# Altium PCB PCB.PcbDoc (part 5 of 10)
Units mil, origin at the board's own origin, x right, y up, seen from the top; angles counter-clockwise.
Board outline 4370.08 x 4921.26 mil, 6 copper layers (Component Side, Ground Plane I, Signal Layer 1, Power Plane, Ground Plane II, Solder Side), stack 57.638 mil thick; 274 components, 415 nets, 1726 pads, 902 vias.
Unrouted connection lines stored in the file: 2.
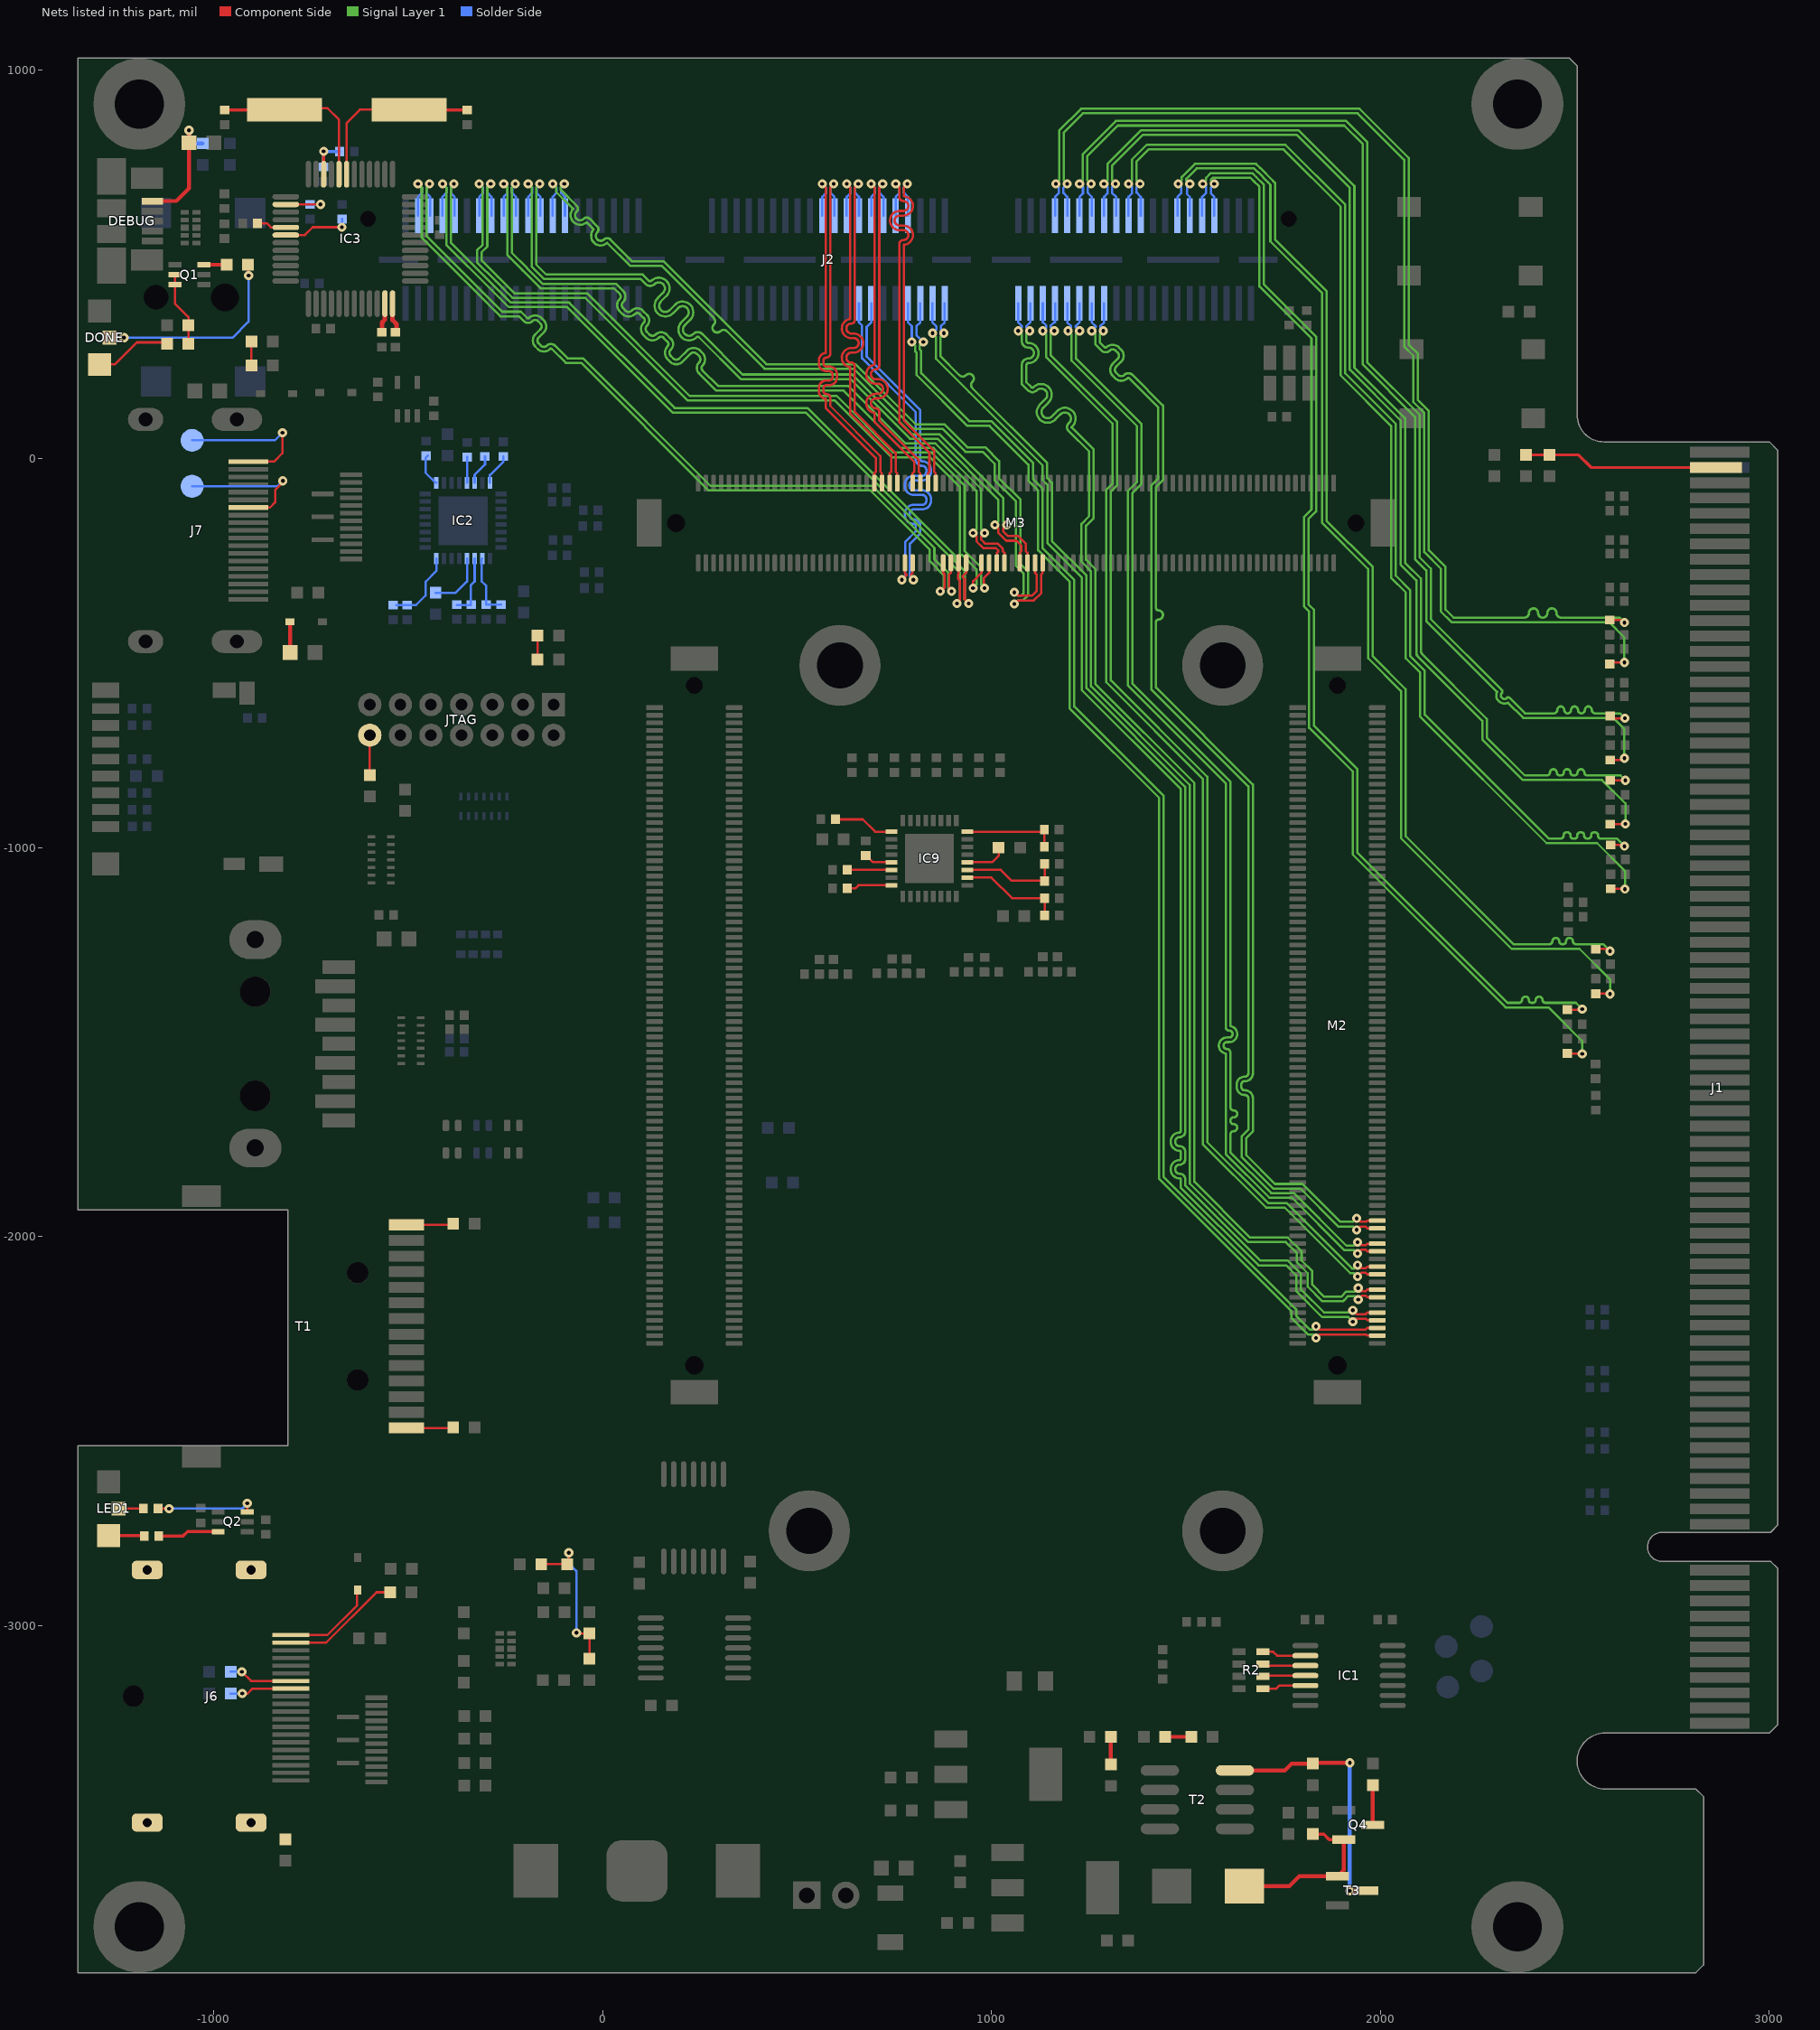
[diagram p9: the nets of this part, all layers, seen from the top]

## Via types
v1: diameter 23.62, hole 9.84, Component Side to Solder Side, 902 vias

## Nets (pads, with @x,y where several pads share a name; then routed paths per layer and width w, separated by ;. In a path a pad name is that pad's centre, name@x,y a point inside that pad or via, vN(x,y) a via of type N, cw(c..) or ccw(c..) an arc to the next point about the centre after c; other vN are vias at no path point) (continued)
LVDS_S1_D13_N: J2.58 M3.117 | length 985.1
  Component Side w5.91: v1(627.95,706.69) 636.81,697.83 636.81,359.07 ccw(c639.76,334.65) 639.76,310.04 645.67,310.04 cw(c645.67,297.24) 658.46,297.24 cw(c645.67,297.24) 645.67,284.45 639.76,284.45 ccw(c639.76,259.84) 636.81,235.41 636.81,115.16 742.13,9.84 742.13,-33.48 738.19,-37.41 M3.117@738.19,-62.99
  Solder Side w5.91: J2.58@627.89,624.61 627.89,673.21 636.81,682.13 636.81,697.83 v1(627.95,706.69)
LVDS_S1_D13_P: J2.56 M3.115 | length 988.1
  Component Side w5.91: v1(657.48,706.69) 648.62,697.83 648.62,356.3 cw(c639.76,356.3) 639.76,347.44 ccw(c639.76,334.65) 639.76,321.85 645.67,321.85 cw(c645.67,297.24) 670.28,297.24 cw(c645.67,297.24) 645.67,272.64 639.76,272.64 ccw(c639.76,259.84) 639.76,247.05 cw(c639.76,238.19) 648.62,238.19 648.62,120.05 753.94,14.73 753.94,-33.48 757.87,-37.41 M3.115@757.87,-62.99
  Solder Side w5.91: v1(657.48,706.69) 648.62,697.83 648.62,683.98 659.39,673.21 J2.56@659.39,624.61
LVDS_S1_D14_N: J2.50 M3.107 | length 986
  Component Side w5.91: v1(753.94,706.69) 762.8,697.83 762.8,673.23 ccw(c773.62,673.23) 773.62,662.4 cw(c773.62,649.61) 786.42,649.61 cw(c773.62,649.61) 773.62,636.81 763.78,636.81 ccw(c763.78,612.2) 763.78,587.6 773.62,587.6 cw(c773.62,574.8) 786.42,574.8 cw(c773.62,574.8) 773.62,562.01 ccw(c773.62,551.18) 762.8,551.18 762.8,93.44 840.55,15.69 840.55,-33.48 836.61,-37.41 M3.107@836.61,-62.99
  Solder Side w5.91: J2.50@753.88,624.61 753.88,673.21 762.8,682.13 762.8,697.83 v1(753.94,706.69)
LVDS_S1_D14_P: J2.48 M3.105 | length 986
  Component Side w5.91: v1(783.46,706.69) 774.61,697.83 774.61,674.19 cw(c773.62,649.61) 798.23,649.61 cw(c773.62,649.61) 773.62,625 763.78,625 ccw(c763.78,612.2) 763.78,599.41 773.62,599.41 cw(c773.62,574.8) 798.23,574.8 cw(c773.62,574.8) 774.61,550.22 774.61,98.34 852.36,20.58 852.36,-33.48 856.3,-37.41 M3.105@856.3,-62.99
  Solder Side w5.91: v1(783.46,706.69) 774.61,697.83 774.61,683.98 785.37,673.21 J2.48@785.37,624.61
LVDS_S1_D15_N: J2.62 M3.121 | length 982.8
  Component Side w5.91: v1(564.96,706.69) 573.82,697.83 573.82,271.99 ccw(c576.18,252.05) 556.1,252.05 556.1,244.97 ccw(c576.18,244.97) 576.18,224.89 583.27,224.89 cw(c583.27,216.62) 591.54,216.62 591.54,209.53 cw(c583.27,209.53) 583.27,201.27 576.18,201.27 ccw(c576.18,181.19) 556.1,181.19 556.1,174.1 ccw(c576.18,174.1) 573.82,154.16 573.82,130.91 702.76,1.97 702.76,-33.48 698.82,-37.41 M3.121@698.82,-62.99
  Solder Side w5.91: J2.62@564.9,624.61 564.9,673.21 573.82,682.13 573.82,697.83 v1(564.96,706.69)
LVDS_S1_D15_P: J2.60 M3.119 | length 985.4
  Component Side w5.91: v1(594.49,706.69) 585.63,697.83 585.63,269.77 cw(c576.18,269.77) 576.18,260.32 ccw(c576.18,252.05) 567.91,252.05 567.91,244.97 ccw(c576.18,244.97) 576.18,236.7 583.27,236.7 cw(c583.27,216.62) 603.35,216.62 603.35,209.53 cw(c583.27,209.53) 583.27,189.45 576.18,189.45 ccw(c576.18,181.19) 567.91,181.19 567.91,174.1 ccw(c576.18,174.1) 576.18,165.83 cw(c576.18,156.38) 585.63,156.38 585.63,135.8 714.57,6.86 714.57,-33.48 718.5,-37.41 M3.119@718.5,-62.99
  Solder Side w5.91: v1(594.49,706.69) 585.63,697.83 585.63,683.98 596.4,673.21 J2.60@596.4,624.61
LVDS_S1_D16_N: J2.55 M3.114 | length 988.4
  Component Side w5.91: v1(769.69,-311.02) 781.5,-299.21 781.5,-297.26 777.56,-293.32 M3.114@777.56,-267.72
  Solder Side w5.91: J2.55@659.39,399.02 659.39,350.38 667.32,342.45 667.32,257.82 805.12,120.02 805.12,-1.56 ccw(c821.75,-1.56) 821.75,-18.19 cw(c821.75,-29.12) 832.68,-29.12 832.68,-32.86 cw(c821.75,-32.86) 821.75,-43.78 800.3,-43.78 ccw(c800.3,-66.52) 777.56,-66.52 777.56,-70.26 ccw(c800.3,-70.26) 800.3,-93 821.75,-93 cw(c821.75,-103.92) 832.68,-103.92 832.68,-107.66 cw(c821.75,-107.66) 821.75,-118.59 800.3,-118.59 ccw(c800.3,-141.32) 777.56,-141.32 777.56,-145.06 ccw(c800.3,-145.06) 800.3,-167.8 cw(c800.3,-172.62) 805.12,-172.62 805.12,-187.01 778.54,-213.58 778.54,-302.17 v1(769.69,-311.02)
LVDS_S1_D16_P: J2.53 M3.112 | length 987.5
  Component Side w5.91: M3.112@797.24,-267.72 797.24,-293.32 793.31,-297.26 793.31,-305.12 v1(799.21,-311.02)
  Solder Side w5.91: J2.53@690.89,399.02 690.89,350.38 679.13,338.63 679.13,262.71 816.93,124.91 816.93,-1.56 ccw(c821.75,-1.56) 821.75,-6.38 cw(c821.75,-29.12) 844.49,-29.12 844.49,-32.86 cw(c821.75,-32.86) 821.75,-55.6 800.3,-55.6 ccw(c800.3,-66.52) 789.37,-66.52 789.37,-70.26 ccw(c800.3,-70.26) 800.3,-81.19 821.75,-81.19 cw(c821.75,-103.92) 844.49,-103.92 844.49,-107.66 cw(c821.75,-107.66) 821.75,-130.4 800.3,-130.4 ccw(c800.3,-141.32) 789.37,-141.32 789.37,-145.06 ccw(c800.3,-145.06) 800.3,-155.99 cw(c800.3,-172.62) 816.93,-172.62 816.93,-191.9 790.35,-218.47 790.35,-302.17 v1(799.21,-311.02)
LVDS_S1_OUTCLK_N: J2.54 M3.111 | length 983.5
  Component Side w5.91: v1(690.94,706.69) 699.8,697.83 699.8,241.44 ccw(c702.76,217.01) 702.76,192.41 708.66,192.41 cw(c708.66,179.61) 721.46,179.61 cw(c708.66,179.61) 708.66,166.82 702.76,166.82 ccw(c702.76,142.21) 699.8,117.78 699.8,93.5 801.18,-7.87 801.18,-33.48 797.24,-37.41 M3.111@797.24,-62.99
  Solder Side w5.91: J2.54@690.89,624.61 690.89,673.21 699.8,682.13 699.8,697.83 v1(690.94,706.69)
LVDS_S1_OUTCLK_P: J2.52 M3.109 | length 986.4
  Component Side w5.91: v1(720.47,706.69) 711.61,697.83 711.61,238.67 cw(c702.76,238.67) 702.76,229.81 ccw(c702.76,217.01) 702.76,204.22 708.66,204.22 cw(c708.66,179.61) 733.27,179.61 cw(c708.66,179.61) 708.66,155.01 702.76,155.01 ccw(c702.76,142.21) 702.76,129.41 cw(c702.76,120.56) 711.61,120.56 711.61,98.4 812.99,-2.98 812.99,-33.48 816.93,-37.41 M3.109@816.93,-62.99
  Solder Side w5.91: v1(720.47,706.69) 711.61,697.83 711.61,683.98 722.38,673.21 J2.52@722.38,624.61
LVDS_S2_CTRL_N: J2.39 M2.156 | length 3287
  Component Side w5.91: v1(1942.91,-2161.42) 1952.76,-2151.57 1962.57,-2151.57 1966.51,-2155.51 M2.156@1992.13,-2155.51
  Signal Layer 1 w5.91: v1(1068.9,328.74) 1077.76,319.88 1077.76,303.15 ccw(c1095.47,303.15) 1095.47,285.43 cw(c1095.47,271.65) 1109.25,271.65 cw(c1095.47,271.65) 1095.47,257.87 ccw(c1095.47,240.16) 1077.76,240.16 1077.76,191.93 1094.1,175.58 ccw(c1105.24,186.72) 1116.37,175.58 cw(c1127.51,164.45) 1138.64,175.58 ; 1138.66,175.56 cw(c1127.51,164.45) 1143.26,164.45 cw(c1127.51,164.45) 1138.64,153.31 1124.72,139.39 ccw(c1144.21,119.91) 1124.72,100.42 ccw(c1144.21,119.91) 1163.7,100.42 1177.62,114.34 cw(c1188.75,103.2) 1199.89,114.34 ; 1199.91,114.32 cw(c1188.75,103.2) 1204.5,103.2 cw(c1188.75,103.2) 1199.89,92.07 1197.83,90.01 ccw(c1206.92,80.93) 1197.83,71.85 1250.98,18.7 1250.98,-147.67 1231.3,-167.35 1231.3,-264.76 1255.91,-289.37 1255.91,-584.62 1509.84,-838.55 1509.84,-1863.28 1660.35,-2013.78 1756.92,-2013.78 1785.43,-2042.29 1785.43,-2065.92 1812.99,-2093.47 1812.99,-2127.95 1850.9,-2165.86 1904.02,-2165.86 1907.48,-2162.4 1917.32,-2152.56 1934.06,-2152.56 v1(1942.91,-2161.42)
  Solder Side w5.91: v1(1068.9,328.74) 1077.76,337.6 1077.76,341.58 1068.96,350.38 J2.39@1068.96,399.02
LVDS_S2_CTRL_P: J2.37 M2.154 | length 3268.1
  Component Side w5.91: v1(1942.91,-2131.89) 1950.79,-2139.76 1962.57,-2139.76 1966.51,-2135.83 M2.154@1992.13,-2135.83
  Signal Layer 1 w5.91: v1(1098.43,328.74) 1089.57,319.88 1089.57,303.15 ccw(c1095.47,303.15) 1095.47,297.24 cw(c1095.47,271.65) 1121.06,271.65 cw(c1095.47,271.65) 1095.47,246.06 ccw(c1095.47,240.16) 1089.57,240.16 1089.57,196.82 1102.45,183.94 ccw(c1105.24,186.72) 1108.02,183.94 cw(c1127.51,164.45) 1146.99,183.94 cw(c1127.51,164.45) 1155.07,164.45 cw(c1127.51,164.45) 1146.99,144.96 1133.08,131.04 ccw(c1144.21,119.91) 1133.05,108.79 ; 1133.1,108.75 ccw(c1144.21,119.91) 1155.35,108.77 1169.27,122.69 cw(c1188.75,103.2) 1208.24,122.69 cw(c1188.75,103.2) 1216.31,103.2 cw(c1188.75,103.2) 1208.24,83.72 1206.19,81.66 ccw(c1206.92,80.93) 1206.19,80.2 1262.8,23.59 1262.8,-152.56 1243.11,-172.24 1243.11,-259.87 1267.72,-284.48 1267.72,-579.72 1521.65,-833.66 1521.65,-1858.38 1665.24,-2001.97 1761.81,-2001.97 1797.24,-2037.4 1797.24,-2061.02 1824.8,-2088.58 1824.8,-2123.06 1855.79,-2154.05 1899.13,-2154.05 1912.43,-2140.75 1934.06,-2140.75 v1(1942.91,-2131.89)
  Solder Side w5.91: v1(1098.43,328.74) 1089.57,337.6 1089.57,340.55 1099.4,350.38 1100.45,350.38 J2.37@1100.45,399.02
LVDS_S2_D1_N: J2.108 M3.94 | length 2140.5
  Component Side w5.91: v1(952.76,-332.68) 952.76,-314.97 974.41,-293.32 M3.94@974.41,-267.72
  Signal Layer 1 w5.91: v1(-316.93,706.69) -308.07,697.83 -308.07,550.2 -322.83,535.43 -322.83,504.89 -274.64,456.69 -274.58,456.69 -231.27,413.39 -44.26,413.39 219.52,149.61 597.47,149.61 743.14,3.94 841.51,3.94 919.29,-73.85 919.29,-247.02 924.18,-247.02 961.61,-284.45 961.61,-323.82 v1(952.76,-332.68)
  Solder Side w5.91: J2.108@-316.99,624.61 -316.99,673.21 -307.15,683.06 -307.15,696.91 v1(-316.93,706.69)
LVDS_S2_D1_P: J2.106 M3.92 | length 2134.4
  Component Side w5.91: v1(982.28,-332.68) 980.31,-330.71 980.31,-307.1 994.09,-293.32 M3.92@994.09,-267.72
  Signal Layer 1 w5.91: v1(-287.4,706.69) -296.26,697.83 -296.26,545.3 -311.02,530.54 -311.02,509.84 -269.68,468.5 -226.38,425.2 -39.37,425.2 224.41,161.42 602.36,161.42 748.03,15.75 846.4,15.75 931.1,-68.96 931.1,-237.23 973.43,-279.56 973.43,-323.82 v1(982.28,-332.68)
  Solder Side w5.91: v1(-287.4,706.69) -295.34,698.76 -295.34,683.06 -285.49,673.21 J2.106@-285.49,624.61
LVDS_S2_D2_N: J2.35 M2.150 | length 2949.7
  Component Side w5.91: v1@1940.94,-2104.33 v1(1940.94,-2102.36) 1950.79,-2092.52 1962.57,-2092.52 1966.51,-2096.46 M2.150@1992.13,-2096.46
  Signal Layer 1 w5.91: v1(1131.89,328.74) 1140.75,319.88 1140.75,260.83 1311.02,90.55 1311.02,-64.01 1295.28,-79.75 1295.28,-574.8 1543.31,-822.83 1543.31,-1761.81 1706.69,-1925.2 1753.94,-1925.2 1922.24,-2093.5 1932.09,-2093.5 v1(1940.94,-2102.36)
  Solder Side w5.91: v1(1131.89,328.74) 1140.75,337.6 1140.75,342.45 1132.81,350.38 1131.95,350.38 J2.35@1131.95,399.02
LVDS_S2_D2_P: J2.33 M2.148 | length 2929.4
  Component Side w5.91: v1(1940.94,-2072.83) 1948.82,-2080.71 1962.57,-2080.71 1966.51,-2076.77 M2.148@1992.13,-2076.77
  Signal Layer 1 w5.91: v1(1161.42,328.74) 1152.56,319.88 1152.56,265.72 1322.83,95.44 1322.83,-68.9 1307.09,-84.65 1307.09,-569.91 1555.12,-817.94 1555.12,-1756.92 1711.59,-1913.39 1758.83,-1913.39 1927.14,-2081.69 1932.09,-2081.69 v1(1940.94,-2072.83)
  Solder Side w5.91: v1(1161.42,328.74) 1152.56,337.6 1152.56,342.45 1160.49,350.38 1163.44,350.38 J2.33@1163.44,399.02
LVDS_S2_D3_N: J2.114 M3.100 | length 2142.3
  Component Side w5.91: v1(911.42,-372.05) 919.29,-364.17 919.29,-313.95 913.86,-308.52 913.86,-297.79 915.35,-296.3 M3.100@915.35,-267.72
  Signal Layer 1 w5.91: v1(-411.42,706.69) -401.57,696.85 -401.57,550.23 -284.42,433.07 -284.36,433.07 -241.05,389.76 -90.86,389.76 180.29,118.62 522.07,118.62 893.7,-253.01 893.7,-267.49 897.16,-270.95 ; v1(911.42,-372.05) 919.29,-364.17 919.29,-293.08 897.16,-270.95 ; 911.42,-285.21 897.16,-270.95
  Solder Side w5.91: J2.114@-411.48,624.61 -411.48,673.21 -401.63,683.06 -401.63,696.91 v1(-411.42,706.69)
LVDS_S2_D3_P: J2.112 M3.98 | length 2129.1
  Component Side w5.91: M3.98@935.04,-267.72 935.04,-293.32 925.67,-302.68 925.67,-303.63 931.1,-309.06 931.1,-361.73 v1(941.42,-372.05)
  Signal Layer 1 w5.91: v1@-379.92,706.69 -389.76,696.85 -389.76,555.12 -279.53,444.88 -279.47,444.88 -236.16,401.57 -85.97,401.57 185.18,130.43 526.97,130.43 905.51,-248.12 905.51,-262.6 931.1,-288.19 931.1,-361.73 v1(941.42,-372.05) ; v1@943.15,-370.32 v1@944.88,-372.05
  Solder Side w5.91: v1(-381.89,706.69) -389.82,698.76 -389.82,683.06 -379.98,673.21 J2.112@-379.98,624.61
LVDS_S2_D4_N: J2.43 M2.162 | length 3280.4
  Component Side w5.91: v1(1929.13,-2218.5) 1937.01,-2210.63 1962.57,-2210.63 1966.51,-2214.57 M2.162@1992.13,-2214.57
  Signal Layer 1 w5.91: v1(848.43,322.83) 857.28,313.98 857.28,256.89 942.1,172.08 1131.38,-17.21 1131.38,-54.61 1143.7,-66.93 1143.7,-216.54 1232.28,-305.12 1232.28,-594.49 1486.22,-848.42 1486.22,-1729.87 cw(c1484.25,-1729.87) 1484.25,-1731.83 ccw(c1484.25,-1755.46) 1460.63,-1755.46 ccw(c1484.25,-1755.46) 1484.25,-1779.08 cw(c1484.25,-1781.05) 1486.22,-1781.05 1486.22,-1800.73 cw(c1484.25,-1800.73) 1484.25,-1802.7 ccw(c1484.25,-1826.32) 1460.63,-1826.32 ccw(c1484.25,-1826.32) 1484.25,-1849.95 cw(c1484.25,-1851.91) 1486.22,-1851.91 1486.22,-1873.06 1686.46,-2073.3 1757.38,-2073.3 1783.46,-2099.38 1783.46,-2139.76 1849.89,-2206.19 1916.82,-2206.19 v1(1929.13,-2218.5)
  Solder Side w5.91: J2.43@848.37,399.02 848.37,350.38 858.21,340.54 858.21,332.62 v1(848.43,322.83)
LVDS_S2_D4_P: J2.41 M2.160 | length 3284.9
  Component Side w5.91: v1(1929.13,-2188.98) 1938.98,-2198.82 1962.57,-2198.82 1966.51,-2194.88 M2.160@1992.13,-2194.88
  Signal Layer 1 w5.91: v1(877.95,322.83) 869.09,313.98 869.09,263.24 917.77,214.57 ccw(c926.12,222.92) 934.47,214.57 cw(c942.83,206.22) 951.18,214.57 cw(c942.83,206.22) 951.18,197.86 ccw(c959.53,189.51) 951.18,181.16 1143.19,-10.86 1143.19,-49.72 1155.51,-62.04 1155.51,-211.64 1244.09,-300.23 1244.09,-589.6 1498.03,-843.53 1498.03,-1729.87 cw(c1484.25,-1729.87) 1484.25,-1743.65 ccw(c1484.25,-1755.46) 1472.44,-1755.46 ccw(c1484.25,-1755.46) 1484.25,-1767.27 cw(c1484.25,-1781.05) 1498.03,-1781.05 1498.03,-1800.73 cw(c1484.25,-1800.73) 1484.25,-1814.51 ccw(c1484.25,-1826.32) 1472.44,-1826.32 ccw(c1484.25,-1826.32) 1484.25,-1838.13 cw(c1484.25,-1851.91) 1498.03,-1851.91 1498.03,-1868.17 1691.35,-2061.49 1762.27,-2061.49 1795.28,-2094.49 1795.28,-2134.87 1854.78,-2194.38 1923.74,-2194.38 v1(1929.13,-2188.98)
  Solder Side w5.91: v1(877.95,322.83) 870.02,330.77 870.02,340.54 879.86,350.38 J2.41@879.86,399.02
LVDS_S2_D5_N: J2.31 M2.144 | length 2924.7
  Component Side w5.91: v1(1940.94,-2043.31) 1950.79,-2033.46 1962.57,-2033.46 1966.51,-2037.4 M2.144@1992.13,-2037.4
  Signal Layer 1 w5.91: v1(1196.85,328.74) 1205.71,319.88 1205.71,252 1374.02,83.69 1374.02,-60.07 1350.39,-83.69 1350.39,-582.68 1602.36,-834.65 1602.36,-1461.23 ccw(c1611.22,-1461.23) 1611.22,-1470.09 cw(c1611.22,-1478.94) 1620.08,-1478.94 cw(c1611.22,-1478.94) 1611.22,-1487.8 1605.31,-1487.8 ccw(c1605.31,-1508.47) 1602.36,-1528.93 1602.36,-1657 1602.36,-1787.46 1714.51,-1899.61 1772.67,-1899.61 1907.51,-2034.45 1932.09,-2034.45 v1(1940.94,-2043.31)
  Solder Side w5.91: J2.31@1194.94,399.02 1194.94,350.38 1204.78,340.54 1204.78,336.67 v1(1196.85,328.74)
LVDS_S2_D5_P: J2.29 M2.142 | length 2945.6
  Component Side w5.91: v1(1940.94,-2013.78) 1948.82,-2021.65 1962.57,-2021.65 1966.51,-2017.72 M2.142@1992.13,-2017.72
  Signal Layer 1 w5.91: v1(1226.38,328.74) 1217.52,319.88 1217.52,256.89 1385.83,88.58 1385.83,-64.96 1362.2,-88.58 1362.2,-577.78 1614.17,-829.75 1614.17,-1458.49 cw(c1611.22,-1478.94) 1631.89,-1478.94 cw(c1611.22,-1478.94) 1611.22,-1499.61 1605.31,-1499.61 ccw(c1605.31,-1508.47) 1605.31,-1517.33 cw(c1605.31,-1526.19) 1614.17,-1526.19 1614.17,-1657 1614.17,-1657.56 1614.17,-1666.42 ccw(c1623.03,-1666.42) 1623.03,-1675.28 cw(c1623.03,-1684.13) 1631.89,-1684.13 cw(c1623.03,-1684.13) 1623.03,-1692.99 ccw(c1623.03,-1701.85) 1614.17,-1701.85 ccw(c1623.03,-1701.85) 1623.03,-1710.71 cw(c1623.03,-1719.57) 1631.89,-1719.57 cw(c1623.03,-1719.57) 1623.03,-1728.43 ccw(c1623.03,-1737.28) 1614.17,-1737.28 1614.17,-1746.14 1614.17,-1755 1614.17,-1782.57 1719.4,-1887.8 1777.56,-1887.8 1912.4,-2022.64 1932.09,-2022.64 v1(1940.94,-2013.78)
  Solder Side w5.91: v1(1226.38,328.74) 1216.59,338.52 1216.59,340.54 1226.44,350.38 J2.29@1226.44,399.02
LVDS_S2_D6_N: J2.104 M3.90 | length 2126.9
  Component Side w5.91: v1(952.76,-190.94) 961.61,-199.8 961.61,-212.54 979.39,-230.31 1011.81,-230.31 1017.72,-236.22 1017.72,-238.2 1013.78,-242.14 M3.90@1013.78,-267.72
  Signal Layer 1 w5.91: v1(-253.94,706.69) -245.08,697.83 -245.08,524.61 -205.71,485.24 -205.71,484.34 -159.39,438.02 29.53,438.02 44.67,422.88 cw(c38.82,417.04) 47.09,417.04 cw(c38.82,417.04) 44.67,411.19 ccw(c61.09,394.77) 44.67,378.34 50.79,372.22 ccw(c67.22,388.64) 83.64,372.22 cw(c89.49,366.37) 95.33,372.22 105.91,361.64 cw(c100.07,355.79) 108.33,355.79 cw(c100.07,355.79) 105.91,349.94 ccw(c122.34,333.52) 105.91,317.1 112.04,310.97 ccw(c128.46,327.4) 144.89,310.97 cw(c150.73,305.12) 156.58,310.97 167.16,300.39 cw(c161.31,294.55) 169.58,294.55 cw(c161.31,294.55) 167.16,288.7 ccw(c183.58,272.27) 167.16,255.85 173.28,249.73 ccw(c189.71,266.15) 206.13,249.73 226.18,269.77 cw(c234.25,261.7) 242.32,269.77 248.45,263.64 cw(c240.37,255.57) 251.79,255.57 cw(c240.37,255.57) 248.45,247.5 ccw(c262.64,233.3) 248.45,219.1 292.35,175.2 620.08,175.2 767.72,27.56 779.53,27.56 851.29,27.56 961.61,-82.76 961.61,-182.09 v1(952.76,-190.94)
  Solder Side w5.91: J2.104@-254,624.61 -254,673.21 -244.15,683.06 -244.15,696.91 v1(-253.94,706.69)
LVDS_S2_D6_P: J2.102 M3.88 | length 2126.1
  Component Side w5.91: v1(982.28,-190.94) 973.43,-199.8 973.43,-207.65 984.28,-218.5 1016.7,-218.5 1029.53,-231.33 1029.53,-238.2 1033.46,-242.14 M3.88@1033.46,-267.72
  Signal Layer 1 w5.91: v1(-224.41,706.69) -233.27,697.83 -233.27,529.5 -193.9,490.13 -193.9,489.23 -154.5,449.83 34.42,449.83 53.02,431.23 cw(c38.82,417.04) 58.9,417.04 cw(c38.82,417.04) 53.02,402.84 ccw(c61.09,394.77) 53,386.71 ; 53.02,386.69 59.14,380.57 ccw(c67.22,388.64) 75.29,380.57 cw(c89.49,366.37) 103.68,380.57 114.26,369.99 cw(c100.07,355.79) 120.14,355.79 cw(c100.07,355.79) 114.26,341.59 ccw(c122.34,333.52) 114.26,325.45 120.39,319.32 ccw(c128.46,327.4) 136.53,319.32 cw(c150.73,305.12) 164.93,319.32 175.51,308.74 cw(c161.31,294.55) 181.39,294.55 cw(c161.31,294.55) 175.51,280.35 ccw(c183.58,272.27) 175.51,264.2 181.63,258.08 ccw(c189.71,266.15) 197.76,258.06 ; 197.78,258.08 217.82,278.12 cw(c234.25,261.7) 250.67,278.12 256.8,272 cw(c240.37,255.57) 263.6,255.57 cw(c240.37,255.57) 256.8,239.15 ccw(c262.64,233.3) 256.8,227.45 297.24,187.01 620.08,187.01 631.89,187.01 779.53,39.37 856.18,39.37 973.43,-77.87 973.43,-182.09 v1(982.28,-190.94)
  Solder Side w5.91: v1(-224.41,706.69) -232.34,698.76 -232.34,683.06 -222.5,673.21 J2.102@-222.5,624.61
LVDS_S2_D7_N: J2.34 R87.1 | length 2972.7
  Component Side w5.91: R87.1@2589.37,-414.17 2620.08,-414.17 v1(2627.17,-421.26)
  Signal Layer 1 w5.91: v1(1165.35,706.69) 1174.21,715.55 1174.21,843.5 1230.32,899.61 1946.49,899.61 2072.83,773.26 2072.83,293.28 2096.46,269.66 2096.46,150.5 2124.49,122.47 2124.49,-235.21 2167.32,-278.04 2167.32,-387.8 2187.99,-408.46 2370.08,-408.46 ccw(c2370.08,-396.65) 2381.89,-396.65 cw(c2393.7,-396.65) 2393.7,-384.84 cw(c2393.7,-396.65) 2405.51,-396.65 ccw(c2417.32,-396.65) 2417.32,-408.46 ccw(c2417.32,-396.65) 2429.13,-396.65 cw(c2440.94,-396.65) 2440.94,-384.84 cw(c2440.94,-396.65) 2452.76,-396.65 ccw(c2464.57,-396.65) 2464.57,-408.46 2614.37,-408.46 v1(2627.17,-421.26)